# Altium PCB PiezoControlBoard — копия.PcbDoc (part 1 of 2) (continued)
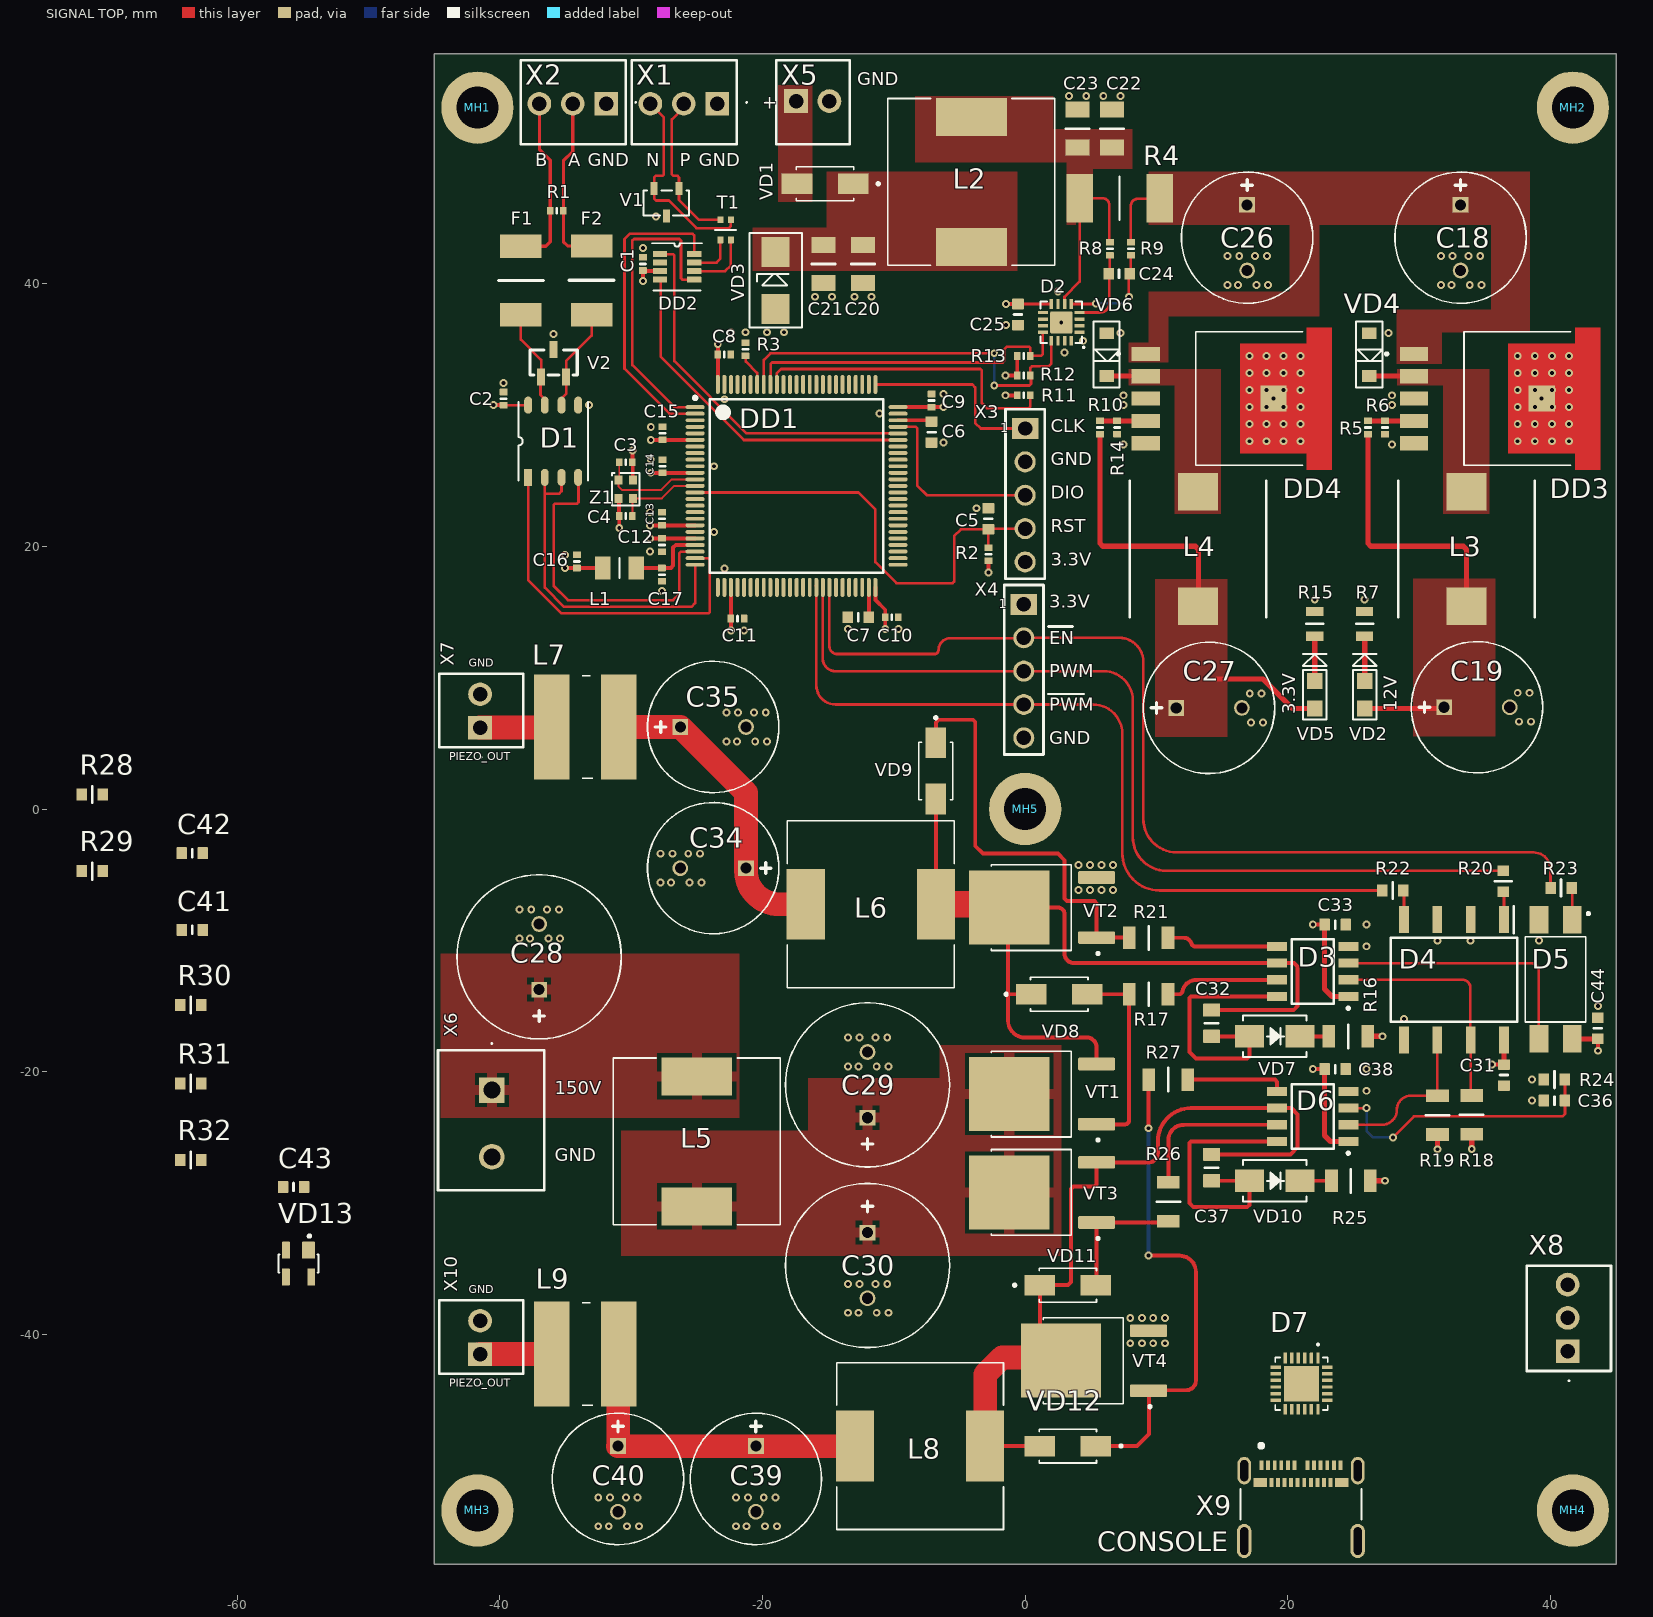
[diagram p0: SIGNAL TOP view]
## Part data (continued)
D3 D6: "Драйвер полумостовой", Operating Supply Current="1.6 mA", Operating temperature=-40…125°C, Output Current="120 mA", Output Voltage - Max="20 V", Output Voltage -Min="10 V", Power=625mW, Supplier 1=https://www.chipdip.ru/product/ir2109strpbf-infineon-8012901923, Supply Voltage -Max="20 V", Supply Voltage -Min="10 V"
D4: "Оптоизолятор 2.5кВ двухканальный с транзистором Дарлингтона 8SMD", If - Forward Current="1.6 mA", Maximum Operating Temperature="100 C", Minimum Operating Temperature="-40 C", Output Current="60 mA", Vf - Forward Voltage="1.3 V", Vr - Reverse Voltage="5 V", Supplier 1=https://www.chipdip.ru/product/hcpl2731sd-on-semiconductor-8031911084
D5: "Optocoupler, Transistor Output, 1 Channel, Surface Mount DIP, 4 Pins, 50 mA, 5 kV, 130 %", Case/Package=SMD/SMT, Collector Emitter Breakdown Voltage=70V, Collector Emitter Saturation Voltage=200mV, Current Transfer Ratio=130%, Dark Current=100nA, Forward Current=50mA, Forward Voltage=1.4V, Isolation Voltage=5kV, Manufacturer=onsemi, Manufacturer Lifecycle Status=ACTIVE, Max Junction Temperature (Tj)=125°C, Max Operating Temperature=110°C, Max Power Dissipation=150mW, Min Operating Temperature=-55°C, Power Dissipation=200mW, Reverse Breakdown Voltage=6V, Supplier Part Number=1190577, Category=Optocouplers, China RoHS=Compliant, Collector Emitter Voltage (VCEO)=70V, ComponentLink1Description=https://datasheet.octopart.com:443/FOD817BSD-onsemi-datasheet-180960478.pdf?src-supplier=IHS, ComponentLink1URL=https://datasheet.octopart.com:443/FOD817BSD-onsemi-datasheet-180960478.pdf?src-supplier=IHS, ComponentLink2Description=https://datasheet.octopart.com:443/FOD817BSD-Fairchild-Semiconductor-datasheet-67010145.pdf?src-supplier=IHS, ComponentLink2URL=https://datasheet.octopart.com:443/FOD817BSD-Fairchild-Semiconductor-datasheet-67010145.pdf?src-supplier=IHS, ComponentLink3Description=https://datasheet.octopart.com:443/FOD817BSD-ON-Semiconductor-datasheet-113093828.pdf?src-supplier=JRH+Electronics, ComponentLink3URL=https://datasheet.octopart.com:443/FOD817BSD-ON-Semiconductor-datasheet-113093828.pdf?src-supplier=JRH+Electronics, ComponentLink4Description=https://sigma.octopart.com:443/138799925/technical_drawing/ON-Semiconductor-FOD817BSD.pdf?src-supplier=Upverter, ComponentLink4URL=https://sigma.octopart.com:443/138799925/technical_drawing/ON-Semiconductor-FOD817BSD.pdf?src-supplier=Upverter, ComponentLink5Description=https://datasheet.octopart.com:443/FOD817BSD-ON-Semiconductor-datasheet-11629806.pdf?src-supplier=TME, ComponentLink5URL=https://datasheet.octopart.com:443/FOD817BSD-ON-Semiconductor-datasheet-11629806.pdf?src-supplier=TME, ComponentLink6Description=https://datasheet.octopart.com:443/FOD817BSD-onsemi-datasheet-188912653.pdf?src-supplier=TME, ComponentLink6URL=https://datasheet.octopart.com:443/FOD817BSD-onsemi-datasheet-188912653.pdf?src-supplier=TME, ComponentLink7Description=https://datasheet.octopart.com:443/FOD817BSD-ON-Semiconductor-datasheet-99207756.pdf?src-supplier=Future+Electronics, ComponentLink7URL=https://datasheet.octopart.com:443/FOD817BSD-ON-Semiconductor-datasheet-99207756.pdf?src-supplier=Future+Electronics, ComponentLink8Description=https://datasheet.octopart.com:443/FOD817BSD-Fairchild-Semiconductor-datasheet-8324556.pdf?src-supplier=Future+Electronics, ComponentLink8URL=https://datasheet.octopart.com:443/FOD817BSD-Fairchild-Semiconductor-datasheet-8324556.pdf?src-supplier=Future+Electronics, ComponentLink9Description=https://datasheet.octopart.com:443/FOD817BSD-ON-Semiconductor-datasheet-98551328.pdf?src-supplier=onsemi, ComponentLink9URL=https://datasheet.octopart.com:443/FOD817BSD-ON-Semiconductor-datasheet-98551328.pdf?src-supplier=onsemi, ComponentLink10Description=https://datasheet.octopart.com:443/FOD817BSD-ON-Semiconductor-datasheet-85522120.pdf?src-supplier=onsemi, ComponentLink10URL=https://datasheet.octopart.com:443/FOD817BSD-ON-Semiconductor-datasheet-85522120.pdf?src-supplier=onsemi, ComponentLink11Description=https://datasheet.octopart.com:443/FOD817BSD-ON-Semiconductor-datasheet-86695365.pdf?src-supplier=onsemi, ComponentLink11URL=https://datasheet.octopart.com:443/FOD817BSD-ON-Semiconductor-datasheet-86695365.pdf?src-supplier=onsemi, ComponentLink12Description=https://datasheet.octopart.com:443/FOD817BSD-ON-Semiconductor-datasheet-86689748.pdf?src-supplier=element14+APAC, ComponentLink12URL=https://datasheet.octopart.com:443/FOD817BSD-ON-Semiconductor-datasheet-86689748.pdf?src-supplier=element14+APAC, ComponentLink13Description=https://datasheet.octopart.com:443/FOD817BSD-Fairchild-datasheet-2482.pdf?src-supplier=Mouser, ComponentLink13URL=https://datasheet.octopart.com:443/FOD817BSD-Fairchild-datasheet-2482.pdf?src-supplier=Mouser, ComponentLink14Description=https://datasheet.octopart.com:443/FOD817BSD-Fairchild-Semiconductor-datasheet-49579151.pdf?src-supplier=Newark, ComponentLink14URL=https://datasheet.octopart.com:443/FOD817BSD-Fairchild-Semiconductor-datasheet-49579151.pdf?src-supplier=Newark, ComponentLink15Description=https://datasheet.octopart.com:443/FOD817BSD-ON-Semiconductor-datasheet-91365929.pdf?src-supplier=Newark, ComponentLink15URL=https://datasheet.octopart.com:443/FOD817BSD-ON-Semiconductor-datasheet-91365929.pdf?src-supplier=Newark, ComponentLink16Description=https://datasheet.octopart.com:443/FOD817BSD-onsemi-datasheet-189128609.pdf?src-supplier=Master+Electronics, ComponentLink16URL=https://datasheet.octopart.com:443/FOD817BSD-onsemi-datasheet-189128609.pdf?src-supplier=Master+Electronics, ComponentLink17Description=https://sigma.octopart.com:443/33167772/technical_drawing/Fairchild-Semiconductor-FOD817BSD.pdf?src-supplier=Fairchild+Semiconductor, ComponentLink17URL=https://sigma.octopart.com:443/33167772/technical_drawing/Fairchild-Semiconductor-FOD817BSD.pdf?src-supplier=Fairchild+Semiconductor, ComponentLink18Description=https://sigma.octopart.com:443/17350082/technical_drawing/Fairchild-Semiconductor-FOD817BSD.pdf?src-supplier=Fairchild+Semiconductor, ComponentLink18URL=https://sigma.octopart.com:443/17350082/technical_drawing/Fairchild-Semiconductor-FOD817BSD.pdf?src-supplier=Fairchild+Semiconductor, ComponentLink19Description=https://datasheet.octopart.com:443/FOD817BSD-Fairchild-datasheet-8637997.pdf?src-supplier=Jameco, ComponentLink19URL=https://datasheet.octopart.com:443/FOD817BSD-Fairchild-datasheet-8637997.pdf?src-supplier=Jameco, ComponentLink20Description=https://datasheet.octopart.com:443/FOD817BSD-Fairchild-Semiconductor-datasheet-61452342.pdf?src-supplier=Farnell, ComponentLink20URL=https://datasheet.octopart.com:443/FOD817BSD-Fairchild-Semiconductor-datasheet-61452342.pdf?src-supplier=Farnell, ComponentLink21Description=https://datasheet.octopart.com:443/FOD817BSD-Fairchild-Semiconductor-datasheet-62114928.pdf?src-supplier=Farnell, ComponentLink21URL=https://datasheet.octopart.com:443/FOD817BSD-Fairchild-Semiconductor-datasheet-62114928.pdf?src-supplier=Farnell, ComponentLink22Description=http://sigma.octopart.com:80/150610482/rohs_statement/ON-Semiconductor-FOD817BSD.pdf?src-supplier=Compliance+Statements, ComponentLink22URL=http://sigma.octopart.com:80/150610482/rohs_statement/ON-Semiconductor-FOD817BSD.pdf?src-supplier=Compliance+Statements, ComponentLink23Description=http://sigma.octopart.com:80/17350094/reach_statement/Fairchild-Semiconductor-FOD817BSD.pdf?src-supplier=Compliance+Statements, ComponentLink23URL=http://sigma.octopart.com:80/17350094/reach_statement/Fairchild-Semiconductor-FOD817BSD.pdf?src-supplier=Compliance+Statements, ComponentLink24Description=http://sigma.octopart.com:80/17350098/materials_sheet/Fairchild-Semiconductor-FOD817BSD.pdf?src-supplier=Compliance+Statements, ComponentLink24URL=http://sigma.octopart.com:80/17350098/materials_sheet/Fairchild-Semiconductor-FOD817BSD.pdf?src-supplier=Compliance+Statements, ComponentLink25Description=http://sigma.octopart.com:80/33167956/reach_statement/Fairchild-Semiconductor-FOD817BSD.pdf?src-supplier=Compliance+Statements, ComponentLink25URL=http://sigma.octopart.com:80/33167956/reach_statement/Fairchild-Semiconductor-FOD817BSD.pdf?src-supplier=Compliance+Statements, ComponentLink26Description=http://sigma.octopart.com:80/33167957/materials_sheet/Fairchild-Semiconductor-FOD817BSD.pdf?src-supplier=Compliance+Statements, ComponentLink26URL=http://sigma.octopart.com:80/33167957/materials_sheet/Fairchild-Semiconductor-FOD817BSD.pdf?src-supplier=Compliance+Statements, ComponentLink27Description=http://sigma.octopart.com:80/reach_statement/ON-Semiconductor-company-79.pdf?src-supplier=Compliance+Statements, ComponentLink27URL=http://sigma.octopart.com:80/reach_statement/ON-Semiconductor-company-79.pdf?src-supplier=Compliance+Statements, ComponentLink28Description=http://sigma.octopart.com:80/rohs_statement/Fairchild-Semiconductor-company-11.pdf?src-supplier=Compliance+Statements, ComponentLink28URL=http://sigma.octopart.com:80/rohs_statement/Fairchild-Semiconductor-company-11.pdf?src-supplier=Compliance+Statements, ComponentLink29Description=http://sigma.octopart.com:80/rohs_statement/Fairchild-Semiconductor-company-10.pdf?src-supplier=Compliance+Statements, ComponentLink29URL=http://sigma.octopart.com:80/rohs_statement/Fairchild-Semiconductor-company-10.pdf?src-supplier=Compliance+Statements, ComponentLink30Description=http://sigma.octopart.com:80/reach_statement/Fairchild-Semiconductor-company-9.pdf?src-supplier=Compliance+Statements, ComponentLink30URL=http://sigma.octopart.com:80/reach_statement/Fairchild-Semiconductor-company-9.pdf?src-supplier=Compliance+Statements, ComponentLink31Description=https://octopart.com:443/opatz8j6/c1?t=2OuS15dud8hiB_awp-DQ-07s1LQDF22Cr1fwQKtyVtUYb04vdBjUyNDKKuvr4wkdRxLtERHgqViJqWkTeNBKTdnTkVY2D1nDxfbO5h2fF1LfkcGDWl4D222U1D-tBlXhHTxouI2AVsrzVRemG0SS3H6sW1MSOkrKkFJ4G0RoiKxMnzMg8mILW7BVIW19nuoux7fwrO0RunnQ-qEWRZB9nm4RjI5EnRBraXhhg_8Jbf0Z5zDmWE4pmUtAopGBxl1lqpyawLRVoWByB2PNMH9fKF0UjTc-KtwwjIOepqcHmBTwo6_YdKVeaWahmHfZtg9hUP14M4pE3RtfggEzRX9LWEFlvFULr5TZ0fLS&src-supplier=Compliance+Statements, ComponentLink31URL=https://octopart.com:443/opatz8j6/c1?t=2OuS15dud8hiB_awp-DQ-07s1LQDF22Cr1fwQKtyVtUYb04vdBjUyNDKKuvr4wkdRxLtERHgqViJqWkTeNBKTdnTkVY2D1nDxfbO5h2fF1LfkcGDWl4D222U1D-tBlXhHTxouI2AVsrzVRemG0SS3H6sW1MSOkrKkFJ4G0RoiKxMnzMg8mILW7BVIW19nuoux7fwrO0RunnQ-qEWRZB9nm4RjI5EnRBraXhhg_8Jbf0Z5zDmWE4pmUtAopGBxl1lqpyawLRVoWByB2PNMH9fKF0UjTc-KtwwjIOepqcHmBTwo6_YdKVeaWahmHfZtg9hUP14M4pE3RtfggEzRX9LWEFlvFULr5TZ0fLS&src-supplier=Compliance+Statements, ComponentLink32Description=https://octopart.com:443/opatz8j6/c1?t=FFG_DC80JtruglX_HDP91gzsMwR13fxxkH_F3qcsgv835Sckaqh0XoMMkjr9Xm6n53vUMcFhZdRxZUaOiXKEpziVr_MHF241f_irKM6sV7CDFCSg9OIr6yiMkTD2zr6wiIa6WV_NkigJy29Fhwmg1m-UuSG1FnEbeldEUFG0L2j6ZHDzDhgkJHKMYl647Yu2VnJhiyvnXuXJW9BQy0wQcz7wOqUYovLIYLqOxKZMCY31ibnz1zvaL2IfdgsKEKbqjrdm2M9R683KWiwGreD87g6pEsuBtui6WuaAQ53GxNzJ4q_5BlDemMzchI0axU44Y1EiajOyTCBavRYBXk7g4Zi4MYonob1uQF220w&src-supplier=Compliance+Statements, ComponentLink32URL=https://octopart.com:443/opatz8j6/c1?t=FFG_DC80JtruglX_HDP91gzsMwR13fxxkH_F3qcsgv835Sckaqh0XoMMkjr9Xm6n53vUMcFhZdRxZUaOiXKEpziVr_MHF241f_irKM6sV7CDFCSg9OIr6yiMkTD2zr6wiIa6WV_NkigJy29Fhwmg1m-UuSG1FnEbeldEUFG0L2j6ZHDzDhgkJHKMYl647Yu2VnJhiyvnXuXJW9BQy0wQcz7wOqUYovLIYLqOxKZMCY31ibnz1zvaL2IfdgsKEKbqjrdm2M9R683KWiwGreD87g6pEsuBtui6WuaAQ53GxNzJ4q_5BlDemMzchI0axU44Y1EiajOyTCBavRYBXk7g4Zi4MYonob1uQF220w&src-supplier=Compliance+Statements, Contact Plating=Tin, Country of Origin=Thailand, Export Control Classification Number (ECCN) Code=EAR99, Fall Time=18µs, Harmonized Tariff Schedule (HTS) Code=8541.40.80.00, Height=4.35mm, Input Current=50mA, Introduction Date=2004-04-28, Lead Free="Lead Free", Length=5.1mm, Lifecycle Status=Production, Manufacturer Part Number=FOD817BSD, Max Collector Current=50mA, Max Input Current=50mA, Max Output Voltage=70V, Mounting Technology="Surface Mount", Number of Channels=1, Number of Circuits=1, Number of Elements=1, Output Current per Channel=50mA, Output Voltage=70V, Pins=4, Pricing="1000=0,0878, 3000=0,0853, 4000=0,0847, 10000=0,0827, 15000=0,0807 (USD)", Radiation Hardening=No, REACH SVHC=Yes, Reverse Voltage=6V, Reverse Voltage (DC)=6V, Rise Time=18µs, RoHS=Compliant, Schedule B="8541408000, 8541408000|8541408000, 8541408000|8541408000|8541408000, 8541408000|8541408000|8541408000|8541408000", Stock=578000, Supplier="Future Electronics", Supplier 1=https://www.chipdip.ru/product/fod817bsd-optoizolyator-5kv-optopara-on-semiconductor-9000101821, Weight=0g, Width=7mm
D7: library part CP2104-F03-GMR, "Interface IC full speed basic USB type-C controller USB 2.0 3.3V, CP2104-F03-GMR, WFQFN-24", Manufacturer="Silicon Labs", Supplier Part Number=634-CP2104-F03-GMR, Category="Interface ICs", ComponentLink1Description=https://datasheet.ciiva.com/14939/cp2104-14939979.pdf?src-supplier=Digikey, ComponentLink1URL=https://datasheet.ciiva.com/14939/cp2104-14939979.pdf?src-supplier=Digikey, ComponentLink2Description=https://datasheet.ciiva.com/15150/getdatasheetpartid-711722-15150533.pdf?src-supplier=Verical, ComponentLink2URL=https://datasheet.ciiva.com/15150/getdatasheetpartid-711722-15150533.pdf?src-supplier=Verical, Height=800um, Manufacturer Part Number=CP2104-F03-GMR, Pricing="1=5,43, 10=4,87, 50=4,87, 100=3,99, 1000=2,87, 10000=2,62 (USD)", RoHS=Yes, Stock=2589, Supplier=Mouser, Supplier 1=https://www.chipdip.ru/product0/8023203867
DD1: "MCU 32-bit STM32F ARM Cortex M4F RISC 1024KB Flash 2.5V/3.3V 100-Pin LQFP Tray", Case/Package=LQFP, Clock Frequency=168MHz, Manufacturer=STMicroelectronics, Max Operating Temperature=85°C, Max Supply Voltage=3.6V, Min Operating Temperature=-40°C, Min Supply Voltage=1.8V, Nominal Supply Current=1.7uA, Package Quantity=90, Supplier Part Number=7468226, Address Bus Width=32b, Category=Microcontrollers, ComponentLink1Description=https://datasheet.ciiva.com/14132/stm32f407vgt6-tds-eng-14132567.pdf?src-supplier=Distrelec, ComponentLink1URL=https://datasheet.ciiva.com/14132/stm32f407vgt6-tds-eng-14132567.pdf?src-supplier=Distrelec, ComponentLink2Description=https://datasheet.ciiva.com/4842/dm00037051-492832-4842280.pdf?src-supplier=Mouser, ComponentLink2URL=https://datasheet.ciiva.com/4842/dm00037051-492832-4842280.pdf?src-supplier=Mouser, ComponentLink3Description=https://datasheet.ciiva.com/48687/001075599-da-01-en-mcu-32bt-1mb-stm32f407vgt6-lqfp-100-stm-48687547.pdf?src-supplier=Conrad, ComponentLink3URL=https://datasheet.ciiva.com/48687/001075599-da-01-en-mcu-32bt-1mb-stm32f407vgt6-lqfp-100-stm-48687547.pdf?src-supplier=Conrad, Core Architecture=ARM, Data Bus Width=32b, Frequency=168MHz, Height=1.45mm, Interface=I2C,SPI,USB,CAN,Ethernet,IrDA,UART,USART,LIN,EBI/EMI,I2S, Lead Free="Lead Free", Length=14.2mm, Manufacturer Part Number=STM32F407VGT6, Memory Format=FLASH, Memory Size=1024KB, Number of A/D Converters=3NUMBER, Number of ADC Channels=16, Number of Channels=16NUMBER, Number of D/A Converters=2NUMBER, Number of Ethernet Channels=1, Number of I2C Channels=3, Number of I/Os=82, Number of Programmable I/O=82, Number of PWM Channels=2, Number of SPI Channels=3, Number of Timers/Counters=14, Number of UART Channels=2, Number of USB Channels=1NUMBER, Oscillator Type=Internal, Packaging=Tray, Peripherals="Brown-out Detect/Reset,POR,PWM,WDT,DMA,LCD,I2C", Pins=100, Pricing="1=10,95, 10=10,07, 25=9,66, 100=8,5, 250=8,28 (GBP)", Radiation Hardening=No, RAM Size=196KB, Reach SVHC Compliant=No, RoHS=Yes, RoHS Compliant=Yes, Series="STM32 F4", Stock=813, Supplier 1=https://www.chipdip.ru/product/stm32f407vgt6, Watchdog Timer=Yes, Width=14.2mm
DD2: "EAR99 TCAN330 Tape & Reel (TR) CANbus interface transceiver 3.3V 1.45mm 1Mbps -40C~125C", Manufacturer="Texas Instruments", Category="Interface ICs", ComponentLink1Description=http://www.ti.com/lit/ds/symlink/tcan330.pdf?src-supplier=Digikey, ComponentLink1URL=http://www.ti.com/lit/ds/symlink/tcan330.pdf?src-supplier=Digikey, ComponentLink2Description=http://www.ti.com/general/docs/suppproductinfo.tsp?distId=10&amp;gotoUrl=http%3A%2F%2Fwww.ti.com%2Flit%2Fgpn%2Ftcan330&src-supplier=Digikey, ComponentLink2URL=http://www.ti.com/general/docs/suppproductinfo.tsp?distId=10&amp;gotoUrl=http%3A%2F%2Fwww.ti.com%2Flit%2Fgpn%2Ftcan330&src-supplier=Digikey, ComponentLink3Description=http://www.ti.com/general/docs/lit/getliterature.tsp?genericPartNumber=TCAN330&amp;&amp;fileType=pdf&src-supplier=Farnell, ComponentLink3URL=http://www.ti.com/general/docs/lit/getliterature.tsp?genericPartNumber=TCAN330&amp;&amp;fileType=pdf&src-supplier=Farnell, ComponentLink4Description=http://www.ti.com/general/docs/lit/getliterature.tsp?genericPartNumber=TCAN330&&fileType=pdf&src-supplier=Element14, ComponentLink4URL=http://www.ti.com/general/docs/lit/getliterature.tsp?genericPartNumber=TCAN330&&fileType=pdf&src-supplier=Element14, Height=1.45mm, Length=2.9mm, Manufacturer Part Number=TCAN330DCNT, Pricing 1="1=2,386, 10=1,915, 25=1,65 (USD)", RoHS=Yes, Stock 1=49, Supplier 1=https://www.chipdip.ru/product0/8005011845, Supplier Part Number 1=TCAN330DCNT, Thickness=1.1mm, Width=1.63mm
DD3: "LM2575HVR-12, Понижающий DC-DC преобразователь, Uвх=до 60В, Uвых=+12В, 1А, 52кГц [TO-263-5L] (=LM2575HVS-12)", Supplier 1=https://www.chipdip.ru/product/lm2575hvr-12-ponizhayuschiy-dc-dc-preobrazovatel-uvh-do-htc-9001087020
DD4: "LM2575HVS-3.3, Понижающий DC-DC преобразователь, Uвх=до 60В, Uвых=3.3В, 1А, 52кГц [TO-263-5L]", Supplier 1=https://www.chipdip.ru/product/lm2575hvs-3.3-ponizhayuschiy-dc-dc-preobrazovatel-umw-9001231209
F1 F2: "PTC Resettable Fuse 0.2A(hold) 0.4A(trip) 60VDC 40A 0.8W 0.02s 0.8Ohm SMD Solder Pad 1812 T/R", Case Code (Imperial)=1812, Case Code (Metric)=4532, Hold Current=200mA, Manufacturer=Littelfuse, Max Current Rating=40A, Max Operating Temperature=85°C, Max Voltage Rating (DC)=30V, Maximum Resistance 1 Hour (R1max)=4.4Ω, Min Operating Temperature=-40°C, Minimum Resistance Initial (Rmin)=1.4Ω, Power Dissipation=800mW, Supplier Part Number 1=9134053, Trip Current=400mA, Working Voltage=60V, Approvals="TUV, cULus", Case/Package=1812, Category="PTC Resettable Fuses", ComponentLink1Description=https://datasheet.octopart.com:443/1812L020-60DR-Littelfuse-datasheet-181956373.pdf?src-supplier=IHS, ComponentLink1URL=https://datasheet.octopart.com:443/1812L020-60DR-Littelfuse-datasheet-181956373.pdf?src-supplier=IHS, ComponentLink2Description=https://datasheet.octopart.com:443/1812L020-60DR-Littelfuse-datasheet-165518607.pdf?src-supplier=Farnell, ComponentLink2URL=https://datasheet.octopart.com:443/1812L020-60DR-Littelfuse-datasheet-165518607.pdf?src-supplier=Farnell, ComponentLink3Description=https://datasheet.octopart.com:443/1812L020-60DR-Littelfuse-datasheet-95953547.pdf?src-supplier=Farnell, ComponentLink3URL=https://datasheet.octopart.com:443/1812L020-60DR-Littelfuse-datasheet-95953547.pdf?src-supplier=Farnell, ComponentLink4Description=https://datasheet.octopart.com:443/1812L020-60DR-Littelfuse-datasheet-81917122.pdf?src-supplier=Farnell, ComponentLink4URL=https://datasheet.octopart.com:443/1812L020-60DR-Littelfuse-datasheet-81917122.pdf?src-supplier=Farnell, ComponentLink5Description=https://datasheet.octopart.com:443/1812L020-60DR-Littelfuse-datasheet-133510347.pdf?src-supplier=TME, ComponentLink5URL=https://datasheet.octopart.com:443/1812L020-60DR-Littelfuse-datasheet-133510347.pdf?src-supplier=TME, ComponentLink6Description=https://datasheet.octopart.com:443/1812L020-60DR-Littelfuse-datasheet-183575728.pdf?src-supplier=Sager+Electronics, ComponentLink6URL=https://datasheet.octopart.com:443/1812L020-60DR-Littelfuse-datasheet-183575728.pdf?src-supplier=Sager+Electronics, ComponentLink7Description=https://datasheet.octopart.com:443/1812L020-60DR-Littelfuse-datasheet-175882318.pdf?src-supplier=Sager+Electronics, ComponentLink7URL=https://datasheet.octopart.com:443/1812L020-60DR-Littelfuse-datasheet-175882318.pdf?src-supplier=Sager+Electronics, ComponentLink8Description=https://datasheet.octopart.com:443/1812L020-60DR-Littelfuse-datasheet-177174290.pdf?src-supplier=Burklin+Elektronik, ComponentLink8URL=https://datasheet.octopart.com:443/1812L020-60DR-Littelfuse-datasheet-177174290.pdf?src-supplier=Burklin+Elektronik, ComponentLink9Description=https://datasheet.octopart.com:443/1812L020-60DR-Littelfuse-datasheet-24577145.pdf?src-supplier=Future+Electronics, ComponentLink9URL=https://datasheet.octopart.com:443/1812L020-60DR-Littelfuse-datasheet-24577145.pdf?src-supplier=Future+Electronics, ComponentLink10Description=https://datasheet.octopart.com:443/1812L020-60DR-Littelfuse-datasheet-11773851.pdf?src-supplier=Fuses+Unlimited, ComponentLink10URL=https://datasheet.octopart.com:443/1812L020-60DR-Littelfuse-datasheet-11773851.pdf?src-supplier=Fuses+Unlimited, ComponentLink11Description=https://datasheet.octopart.com:443/1812L020-60DR-Littelfuse-datasheet-10288713.pdf?src-supplier=Fuses+Unlimited, ComponentLink11URL=https://datasheet.octopart.com:443/1812L020-60DR-Littelfuse-datasheet-10288713.pdf?src-supplier=Fuses+Unlimited, ComponentLink12Description=https://datasheet.octopart.com:443/1812L020-60DR-Littelfuse-datasheet-8764218.pdf?src-supplier=Fuses+Unlimited, ComponentLink12URL=https://datasheet.octopart.com:443/1812L020-60DR-Littelfuse-datasheet-8764218.pdf?src-supplier=Fuses+Unlimited, ComponentLink13Description=https://datasheet.octopart.com:443/1812L020-60DR-Littelfuse-datasheet-8701984.pdf?src-supplier=Fuses+Unlimited, ComponentLink13URL=https://datasheet.octopart.com:443/1812L020-60DR-Littelfuse-datasheet-8701984.pdf?src-supplier=Fuses+Unlimited, ComponentLink14Description=https://datasheet.octopart.com:443/1812L020-60DR-Littelfuse-datasheet-8499982.pdf?src-supplier=Fuses+Unlimited, ComponentLink14URL=https://datasheet.octopart.com:443/1812L020-60DR-Littelfuse-datasheet-8499982.pdf?src-supplier=Fuses+Unlimited, ComponentLink15Description=https://datasheet.octopart.com:443/1812L020-60DR-Littelfuse-datasheet-8330599.pdf?src-supplier=Fuses+Unlimited, ComponentLink15URL=https://datasheet.octopart.com:443/1812L020-60DR-Littelfuse-datasheet-8330599.pdf?src-supplier=Fuses+Unlimited, ComponentLink16Description=https://datasheet.octopart.com:443/1812L020-60DR-Littelfuse-datasheet-560439.pdf?src-supplier=Fuses+Unlimited, ComponentLink16URL=https://datasheet.octopart.com:443/1812L020-60DR-Littelfuse-datasheet-560439.pdf?src-supplier=Fuses+Unlimited, Country of Origin=Taiwan, Export Control Classification Number (ECCN) Code=EAR99, Harmonized Tariff Schedule (HTS) Code=8533.40.80.70, Height=1.25mm, Introduction Date=2012-08-07, Lead Free="Lead Free", Lifecycle Status=Production, Manufacturer Part Number=1812L020/60DR, Mount="Surface Mount", Number of Terminals=2, Packaging="Tape & Reel (TR)", Pricing 1="1500=0,187, 3000=0,185, 6000=0,182, 22500=0,177 (USD)", REACH SVHC=Yes, Resistance=1.4Ω, RoHS=Compliant, Supplier="Future Electronics", Supplier 1=https://www.chipdip.ru/product/1812l020-60dr-0.2a-60v-predohranitel-littelfuse-9000254948?from=similar_product_auto, Termination=SMD/SMT, Time to Trip=2s, Width=3.41mm
L1: library part CVH252009-4R7M, "Inductor Power Chip Shielded Multi-Layer 4.7uH 20% 1MHz Ferrite 1.1A 110mOhm DCR 1008 T/R", Manufacturer=Bourns, Supplier Part Number=1808878, Category="Fixed Inductors", ComponentLink1Description=https://datasheet.ciiva.com/8003/1610598-8003733.pdf?src-supplier=Element14, ComponentLink1URL=https://datasheet.ciiva.com/8003/1610598-8003733.pdf?src-supplier=Element14, ComponentLink2Description=https://datasheet.ciiva.com/7849/1610598-7849319.pdf?src-supplier=Element14, ComponentLink2URL=https://datasheet.ciiva.com/7849/1610598-7849319.pdf?src-supplier=Element14, ComponentLink3Description=https://datasheet.ciiva.com/22874/70301233-22874397.pdf?src-supplier=Allied+Electronics, ComponentLink3URL=https://datasheet.ciiva.com/22874/70301233-22874397.pdf?src-supplier=Allied+Electronics, ComponentLink4Description=https://datasheet.ciiva.com/3079/cvh-3079748.pdf?src-supplier=Avnet, ComponentLink4URL=https://datasheet.ciiva.com/3079/cvh-3079748.pdf?src-supplier=Avnet, Manufacturer Part Number=CVH252009-4R7M, Pricing="3000=25,352 (RUB)", RoHS=Yes, Stock=495, Supplier=Rs, Supplier 1=https://www.chipdip.ru/product0/8002027222
L2: "SMD Low Loss Power Inductor", Manufacturer=Codaca, Supplier Part Number=4044-SPRH127-101MCT-ND, Manufacturer Part Number=SPRH127-101M, Pricing="1=1,13, 10=0,93, 100=0,7645 (USD)", RoHS=No, Stock=3159, Supplier=Digikey, Supplier 1=https://www.chipdip.ru/product/sprh127-101m-100
L3 L4: library part B82464G4104M000, "Inductor Power Shielded Wirewound 100uH 20% 100KHz Ferrite 1.05A 0.22Ohm DCR Automotive T/R", Case/Package=SMD/SMT, DC Current=1.05A, DC Resistance (DCR)=220mΩ, Inductance=100µH, Inductance Tolerance=20%, Manufacturer=EPCOS, Max Operating Temperature=125°C, Min Operating Temperature=-55°C, Saturation Current=1.15A, Self Resonant Frequency=6.5MHz, Supplier Part Number 1=4960669, Test Frequency=100kHz, Category="Fixed Inductors", China RoHS=Compliant, ComponentLink1Description=https://datasheet.octopart.com:443/B82464G4104M000-EPCOS-datasheet-138895962.pdf?src-supplier=IHS, ComponentLink1URL=https://datasheet.octopart.com:443/B82464G4104M000-EPCOS-datasheet-138895962.pdf?src-supplier=IHS, ComponentLink2Description=https://datasheet.octopart.com:443/B82464G4104M000-EPCOS-datasheet-12510517.pdf?src-supplier=Newark, ComponentLink2URL=https://datasheet.octopart.com:443/B82464G4104M000-EPCOS-datasheet-12510517.pdf?src-supplier=Newark, ComponentLink3Description=https://datasheet.octopart.com:443/B82464G4104M000-EPCOS-datasheet-10671.pdf?src-supplier=Newark, ComponentLink3URL=https://datasheet.octopart.com:443/B82464G4104M000-EPCOS-datasheet-10671.pdf?src-supplier=Newark, ComponentLink4Description=https://datasheet.octopart.com:443/B82464G4104M000-EPCOS-datasheet-8324944.pdf?src-supplier=Future+Electronics, ComponentLink4URL=https://datasheet.octopart.com:443/B82464G4104M000-EPCOS-datasheet-8324944.pdf?src-supplier=Future+Electronics, ComponentLink5Description=https://datasheet.octopart.com:443/B82464G4104M000-EPCOS-datasheet-47871567.pdf?src-supplier=Future+Electronics, ComponentLink5URL=https://datasheet.octopart.com:443/B82464G4104M000-EPCOS-datasheet-47871567.pdf?src-supplier=Future+Electronics, ComponentLink6Description=https://datasheet.octopart.com:443/B82464G4104M000-EPCOS-datasheet-38579530.pdf?src-supplier=element14+APAC, ComponentLink6URL=https://datasheet.octopart.com:443/B82464G4104M000-EPCOS-datasheet-38579530.pdf?src-supplier=element14+APAC, ComponentLink7Description=https://datasheet.octopart.com:443/B82464G4104M-EPCOS-datasheet-714.pdf?src-supplier=TME, ComponentLink7URL=https://datasheet.octopart.com:443/B82464G4104M-EPCOS-datasheet-714.pdf?src-supplier=TME, ComponentLink8Description=https://datasheet.octopart.com:443/B82464G4104M-EPCOS-datasheet-519163.pdf?src-supplier=Farnell, ComponentLink8URL=https://datasheet.octopart.com:443/B82464G4104M-EPCOS-datasheet-519163.pdf?src-supplier=Farnell, ComponentLink9Description=https://datasheet.octopart.com:443/B82464G4104M-EPCOS-datasheet-499776.pdf?src-supplier=Farnell, ComponentLink9URL=https://datasheet.octopart.com:443/B82464G4104M-EPCOS-datasheet-499776.pdf?src-supplier=Farnell, ComponentLink10Description=https://datasheet.octopart.com:443/B82464-G4104-M-EPCOS-datasheet-550296.pdf?src-supplier=Verical, ComponentLink10URL=https://datasheet.octopart.com:443/B82464-G4104-M-EPCOS-datasheet-550296.pdf?src-supplier=Verical, Contact Plating=Tin, Core Material=Ferrite, Country of Origin=Germany, Depth=10.4mm, Export Control Classification Number (ECCN) Code=EAR99, Harmonized Tariff Schedule (HTS) Code=8504.50.80.00, Height=4.8mm, Introduction Date=2002-08-13, Lead Free="Lead Free", Length=10.4mm, Lifecycle Status=EOL, Manufacturer Part Number=B82464G4104M000, Max Current Rating=1.05A, Max DC Current=1.05A, Max Length=10.4mm, Max Width=10.4mm, Military Standard=Not, Mount="Surface Mount", Number of Circuits=1, Number of Pins=2, Number of Terminals=2, Packaging="Cut Tape", Pricing 1="1=1,09 (GBP)", REACH SVHC=Yes, Resistance=220mΩ, RMS Current (Irms)=1.05A, RoHS=Compliant, Schedule B="8504500000, 8504500000|8504500000|8504500000|8504500000|8504500000", Stock 1=363, Supplier=RS, Supplier 1=https://www.chipdip.ru/product/b82464g4104m-100mkgn-1.05a-10x10-katushka-epcos-759264303?from=visited_product, Tolerance=20%, Width=10.4mm
L5 L6 L8: "220мкГн, 2.22А, 12.3х12.3х8 мм, Катушка индуктивности SMD", Current - Saturation (Isat)=2.22A, Current Rating (Amps)=1.63A, Inductance=220мкГн, Supplier 1=https://www.chipdip.ru/product/cdsprh127-221m-220mkgn-2.22a-12.3x12.3x8-mm-katushka-sce-9001493335
L7 L9: "330мкГн, 0.4А, Индуктивность SMD", Current - Saturation (Isat)="580 mA", Current Rating (Amps)="400 mA", Inductance=300мкГн, Supplier 1=https://www.chipdip.ru/product/sdr0805-331kl-330mkgn-0.4a-induktivnost-smd-bourns-9000090969
MH1 MH2 MH3 MH4 MH5: "отверстие М3"
R1: library part Res_0402, "Резистор", Manufacturer Part Number=RC0402FR-07120RL, Power=0.062Вт, Tolerance=1%, Supplier 1=https://www.chipdip.ru/product/0.062w-0402-120-om-1
R2: library part Res_0402, "Резистор", Manufacturer Part Number=RC0402JR-074K7L, Power="0.062 Вт", Tolerance=5%, Supplier 1=https://www.chipdip.ru/product/0.062w-0402-4.7-kom-5
R3 R5 R10: library part Res_0402, "Резистор", Manufacturer Part Number=RC0402JR-070RL, Power="0.062 Вт", Tolerance=5%, Supplier 1=https://www.chipdip.ru/product/0.062w-0402-0-om-5
R4: library part Res_2512, "Резистор", Manufacturer Part Number=CRA2512-FZ-R020ELF, Power="3 Вт", Tolerance=1%, Supplier 1=https://www.chipdip.ru/product0/8002006585
R6 R14: library part Res_0402, "Резистор", Manufacturer Part Number=-, Power=-, Supplier 1=-, Tolerance=-
R7: library part Res_0805, "Резистор", Manufacturer Part Number=RC0805FR-073K01L, Power=0.125Вт, Tolerance=1%, Supplier 1=https://www.chipdip.ru/product0/8013608452
R8 R9: library part Res_0402, "Резистор", Manufacturer Part Number=RC0402JR-074R7L, Power="0.062 Вт", Tolerance=5%, Supplier 1=https://www.chipdip.ru/product/0.062w-0402-4.7-om-5
R11 R12 R13: library part Res_0402, "Резистор", Manufacturer Part Number=RC0402JR-074K7L, Power=0.062Вт, Tolerance=5%, Supplier 1=https://www.chipdip.ru/product/0.062w-0402-4.7-kom-5
R15: library part Res_0805, "Резистор", Manufacturer Part Number=CR0805-FX-1001ELF, Power=0.125Вт, Tolerance=1%, Supplier 1=https://www.chipdip.ru/product0/8003688062